# Altium PCB CHAHARDOLI-7 ADAD METAL.PcbDoc (part 4 of 11)
Units mm, origin at the board's own origin, x right, y up, seen from the top; angles counter-clockwise.
Board outline 151 x 86.38 mm, 2 copper layers (Top Layer, Bottom Layer); 1496 components, 81 nets, 3725 pads, 848 vias.
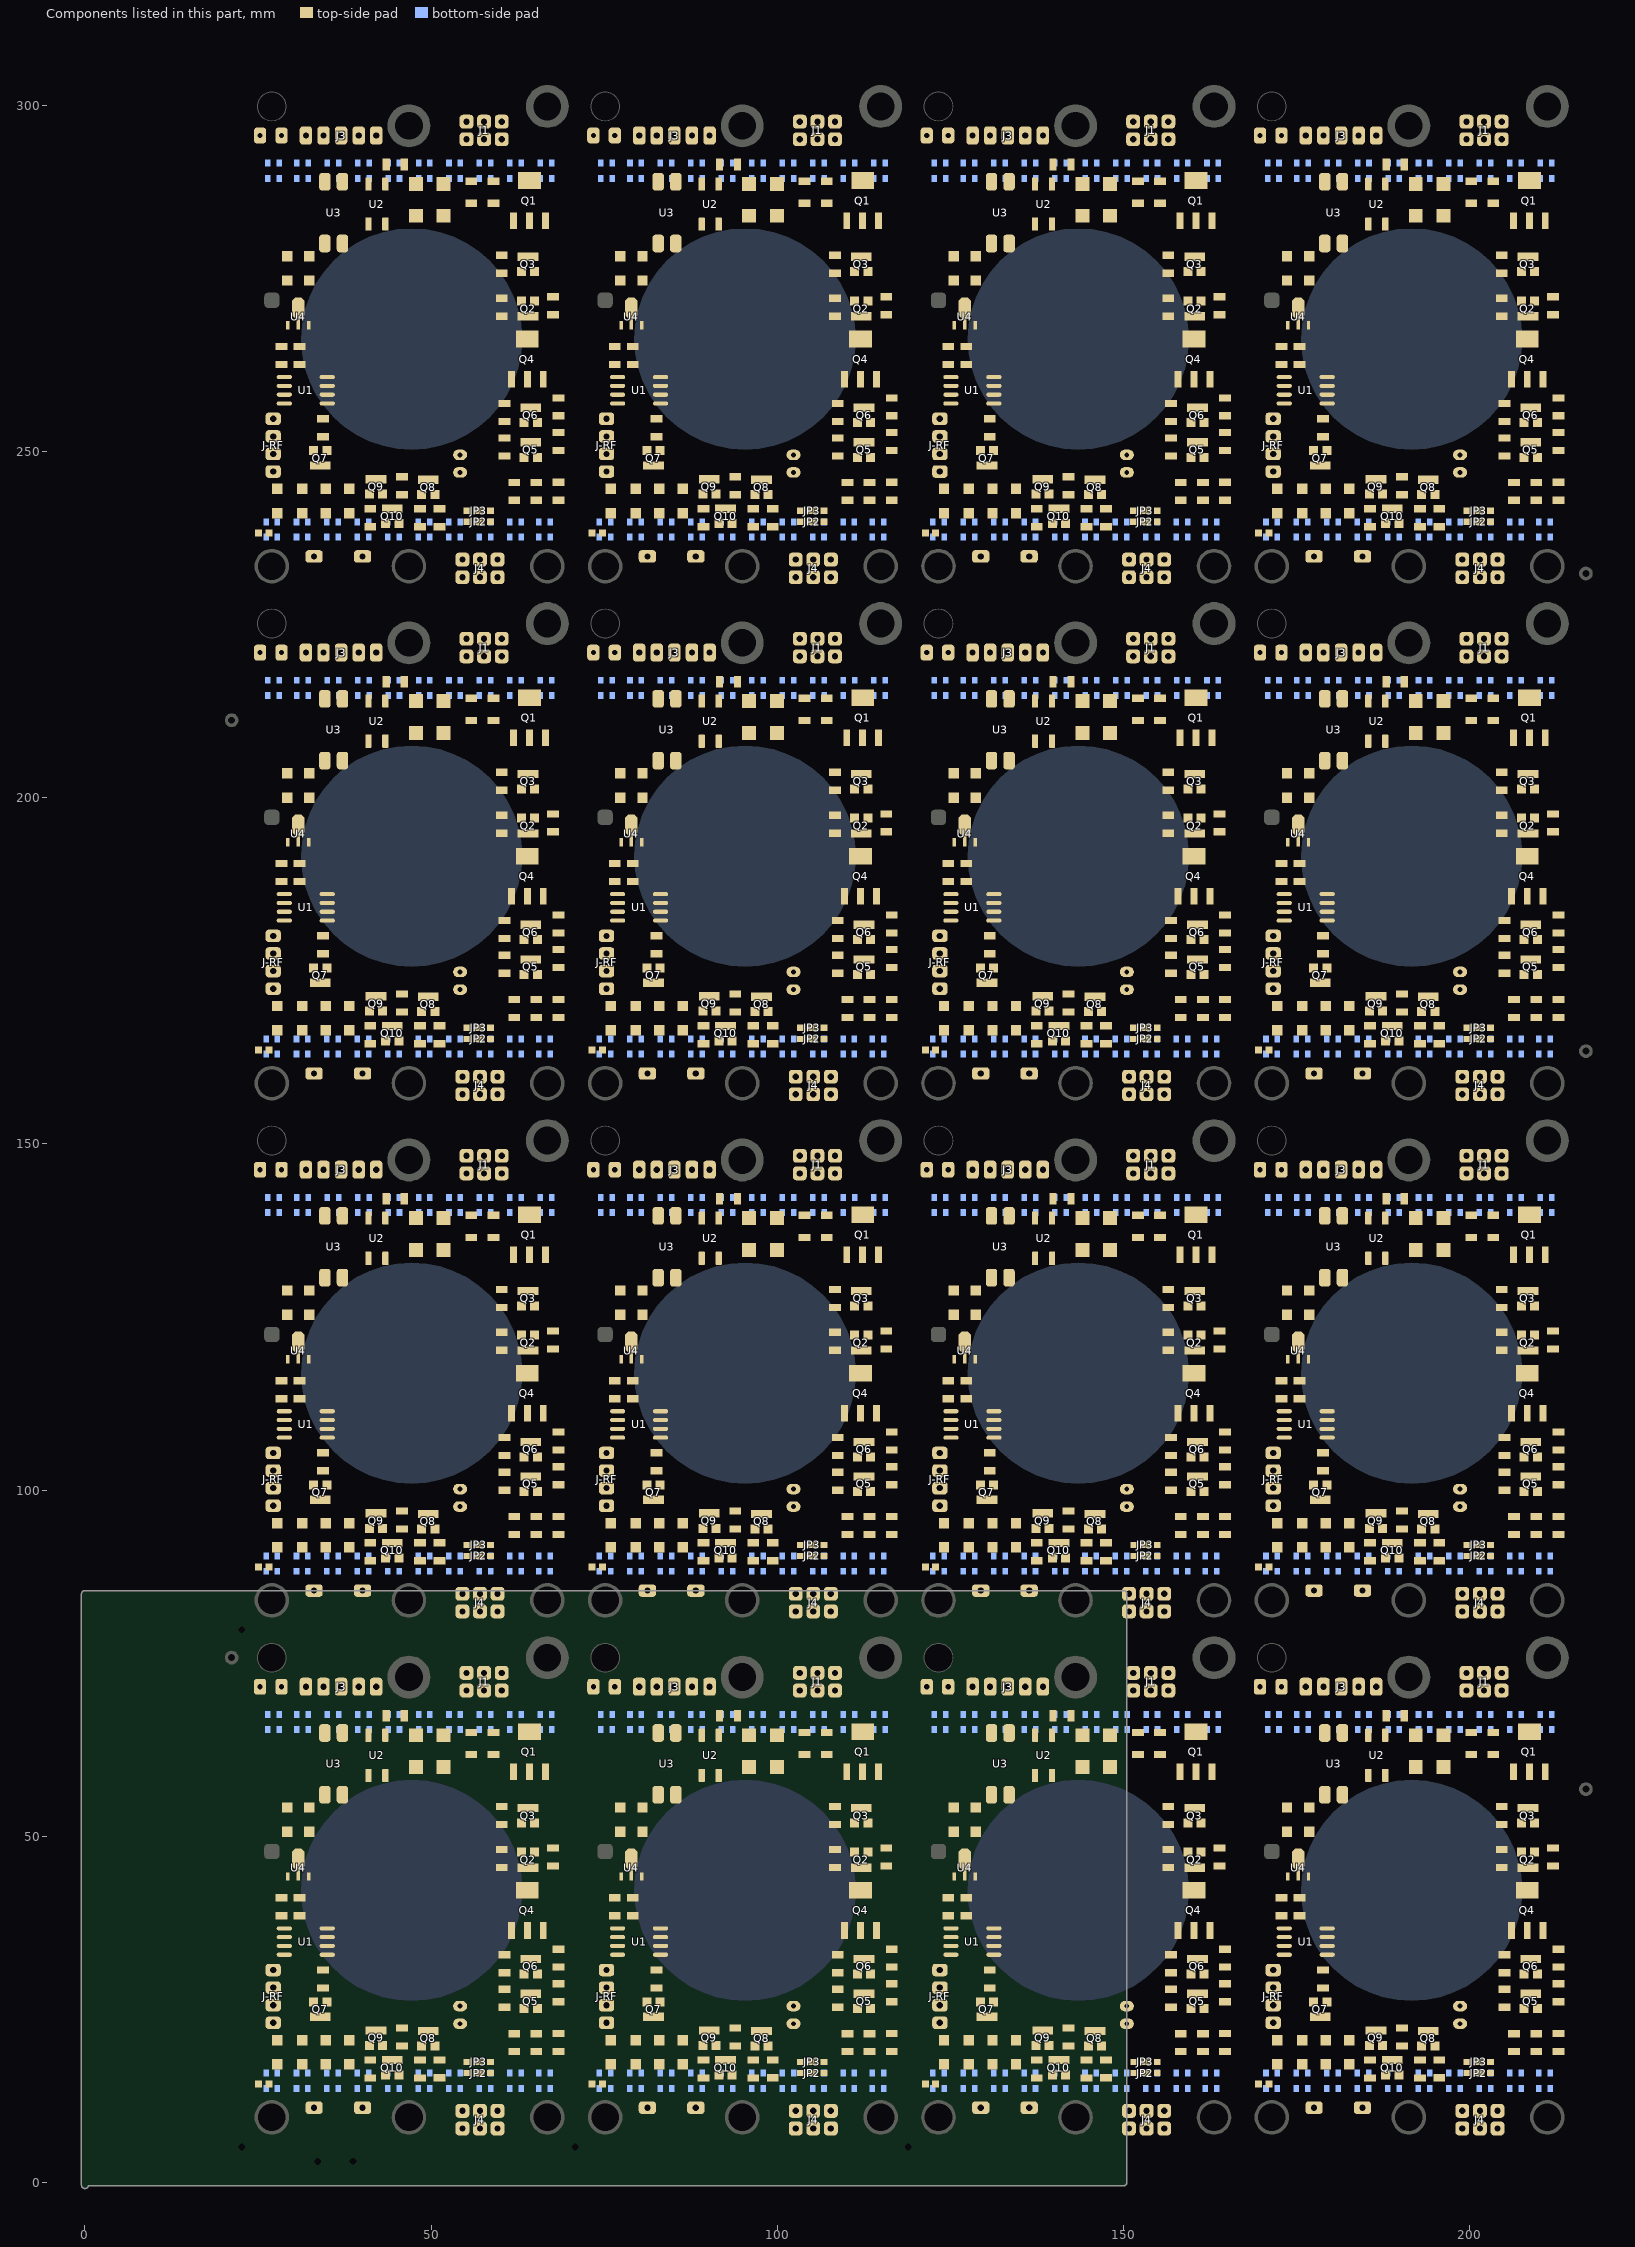
[diagram p4: the components of this part, seen from the top]

## Via types
v1: diameter 1.2, hole 0.6, Top Layer to Bottom Layer, tented both sides, 464 vias
v2: diameter 0.9, hole 0.6, Top Layer to Bottom Layer, tented both sides, 128 vias
v3: diameter 1, hole 0.6, Top Layer to Bottom Layer, tented both sides, 128 vias
v4: diameter 1.27, hole 0.6, Top Layer to Bottom Layer, tented both sides, 112 vias
v5: diameter 1.27, hole 0.711, Top Layer to Bottom Layer, tented both sides, 16 vias

## Nets (pads, with @x,y where several pads share a name; then routed paths per layer and width w, separated by ;. In a path a pad name is that pad's centre, name@x,y a point inside that pad or via, vN(x,y) a via of type N, cw(c..) or ccw(c..) an arc to the next point about the centre after c; other vN are vias at no path point) (continued)
pads on no net: B.1@30.562,88.288 B.1@30.562,162.976 B.1@30.562,237.664 B.1@32.238,142.288 B.1@32.238,216.976 B.1@32.238,291.664 B.1@39.362,88.288 B.1@39.362,162.976 B.1@39.362,237.664 B.1@41.038,142.288 B.1@41.038,216.976 B.1@41.038,291.664 B.1@48.162,88.288 B.1@48.162,162.976 B.1@48.162,237.664 B.1@49.838,142.288 B.1@49.838,216.976 B.1@49.838,291.664 B.1@56.962,88.288 B.1@56.962,162.976 B.1@56.962,237.664 B.1@58.638,142.288 B.1@58.638,216.976 B.1@58.638,291.664 B.1@65.562,88.288 B.1@65.562,162.976 B.1@65.562,237.664 B.1@67.438,142.288 B.1@67.438,216.976 B.1@67.438,291.664 B.1@78.707,13.6 B.1@78.707,88.288 B.1@78.707,162.976 B.1@78.707,237.664 B.1@80.383,67.6 B.1@80.383,142.288 B.1@80.383,216.976 B.1@80.383,291.664 B.1@87.507,13.6 B.1@87.507,88.288 B.1@87.507,162.976 B.1@87.507,237.664 B.1@89.183,67.6 B.1@89.183,142.288 B.1@89.183,216.976 B.1@89.183,291.664 B.1@96.307,13.6 B.1@96.307,88.288 B.1@96.307,162.976 B.1@96.307,237.664 B.1@97.983,67.6 B.1@97.983,142.288 B.1@97.983,216.976 B.1@97.983,291.664 B.1@105.107,13.6 B.1@105.107,88.288 B.1@105.107,162.976 B.1@105.107,237.664 B.1@106.783,67.6 B.1@106.783,142.288 B.1@106.783,216.976 B.1@106.783,291.664 B.1@113.707,13.6 B.1@113.707,88.288 B.1@113.707,162.976 B.1@113.707,237.664 B.1@115.583,67.6 B.1@115.583,142.288 B.1@115.583,216.976 B.1@115.583,291.664 B.1@126.852,13.6 B.1@126.852,88.288 B.1@126.852,162.976 B.1@126.852,237.664 B.1@128.528,67.6 B.1@128.528,142.288 B.1@128.528,216.976 B.1@128.528,291.664 B.1@135.652,13.6 B.1@135.652,88.288 B.1@135.652,162.976 B.1@135.652,237.664 B.1@137.328,67.6 B.1@137.328,142.288 B.1@137.328,216.976 B.1@137.328,291.664 B.1@144.452,13.6 B.1@144.452,88.288 B.1@144.452,162.976 B.1@144.452,237.664 B.1@146.128,67.6 B.1@146.128,142.288 B.1@146.128,216.976 B.1@146.128,291.664 B.1@153.252,13.6 B.1@153.252,88.288 B.1@153.252,162.976 B.1@153.252,237.664 B.1@154.928,67.6 B.1@154.928,142.288 B.1@154.928,216.976 B.1@154.928,291.664 B.1@161.852,13.6 B.1@161.852,88.288 B.1@161.852,162.976 B.1@161.852,237.664 B.1@163.728,67.6 B.1@163.728,142.288 B.1@163.728,216.976 B.1@163.728,291.664 B.1@174.997,13.6 B.1@174.997,88.288 B.1@174.997,162.976 B.1@174.997,237.664 B.1@176.674,67.6 B.1@176.674,142.288 B.1@176.674,216.976 B.1@176.674,291.664 B.1@183.797,13.6 B.1@183.797,88.288 B.1@183.797,162.976 B.1@183.797,237.664 B.1@185.474,67.6 B.1@185.474,142.288 B.1@185.474,216.976 B.1@185.474,291.664 B.1@192.597,13.6 B.1@192.597,88.288 B.1@192.597,162.976 B.1@192.597,237.664 B.1@194.274,67.6 B.1@194.274,142.288 B.1@194.274,216.976 B.1@194.274,291.664 B.1@201.397,13.6 B.1@201.397,88.288 B.1@201.397,162.976 B.1@201.397,237.664 B.1@203.074,67.6 B.1@203.074,142.288 B.1@203.074,216.976 B.1@203.074,291.664 B.1@209.997,13.6 B.1@209.997,88.288 B.1@209.997,162.976 B.1@209.997,237.664 B.1@211.874,67.6 B.1@211.874,142.288 B.1@211.874,216.976 B.1@211.874,291.664 B.2@30.588,142.288 B.2@30.588,216.976 B.2@30.588,291.664 B.2@32.212,88.288 B.2@32.212,162.976 B.2@32.212,237.664 B.2@39.388,142.288 B.2@39.388,216.976 B.2@39.388,291.664 B.2@41.012,88.288 B.2@41.012,162.976 B.2@41.012,237.664 B.2@48.188,142.288 B.2@48.188,216.976 B.2@48.188,291.664 B.2@49.812,88.288 B.2@49.812,162.976 B.2@49.812,237.664 B.2@56.988,142.288 B.2@56.988,216.976 B.2@56.988,291.664 B.2@58.612,88.288 B.2@58.612,162.976 B.2@58.612,237.664 B.2@65.788,142.288 B.2@65.788,216.976 B.2@65.788,291.664 B.2@67.212,88.288 B.2@67.212,162.976 B.2@67.212,237.664 B.2@78.733,67.6 B.2@78.733,142.288 B.2@78.733,216.976 B.2@78.733,291.664 B.2@80.357,13.6 B.2@80.357,88.288 B.2@80.357,162.976 B.2@80.357,237.664 B.2@87.533,67.6 B.2@87.533,142.288 B.2@87.533,216.976 B.2@87.533,291.664 B.2@89.157,13.6 B.2@89.157,88.288 B.2@89.157,162.976 B.2@89.157,237.664 B.2@96.333,67.6 B.2@96.333,142.288 B.2@96.333,216.976 B.2@96.333,291.664 B.2@97.957,13.6 B.2@97.957,88.288 B.2@97.957,162.976 B.2@97.957,237.664 B.2@105.133,67.6 B.2@105.133,142.288 B.2@105.133,216.976 B.2@105.133,291.664 B.2@106.757,13.6 B.2@106.757,88.288 B.2@106.757,162.976 B.2@106.757,237.664 B.2@113.933,67.6 B.2@113.933,142.288 B.2@113.933,216.976 B.2@113.933,291.664 B.2@115.357,13.6 B.2@115.357,88.288 B.2@115.357,162.976 B.2@115.357,237.664 B.2@126.878,67.6 B.2@126.878,142.288 B.2@126.878,216.976 B.2@126.878,291.664 B.2@128.502,13.6 B.2@128.502,88.288 B.2@128.502,162.976 B.2@128.502,237.664 B.2@135.678,67.6 B.2@135.678,142.288 B.2@135.678,216.976 B.2@135.678,291.664 B.2@137.302,13.6 B.2@137.302,88.288 B.2@137.302,162.976 B.2@137.302,237.664 B.2@144.478,67.6 B.2@144.478,142.288 B.2@144.478,216.976 B.2@144.478,291.664 B.2@146.102,13.6 B.2@146.102,88.288 B.2@146.102,162.976 B.2@146.102,237.664 B.2@153.278,67.6 B.2@153.278,142.288 B.2@153.278,216.976 B.2@153.278,291.664 B.2@154.902,13.6 B.2@154.902,88.288 B.2@154.902,162.976 B.2@154.902,237.664 B.2@162.078,67.6 B.2@162.078,142.288 B.2@162.078,216.976 B.2@162.078,291.664 B.2@163.502,13.6 B.2@163.502,88.288 B.2@163.502,162.976 B.2@163.502,237.664 B.2@175.024,67.6 B.2@175.024,142.288 B.2@175.024,216.976 B.2@175.024,291.664 B.2@176.647,13.6 B.2@176.647,88.288 B.2@176.647,162.976 B.2@176.647,237.664 B.2@183.824,67.6 B.2@183.824,142.288 B.2@183.824,216.976 B.2@183.824,291.664 B.2@185.447,13.6 B.2@185.447,88.288 B.2@185.447,162.976 B.2@185.447,237.664 B.2@192.624,67.6 B.2@192.624,142.288 B.2@192.624,216.976 B.2@192.624,291.664 B.2@194.247,13.6 B.2@194.247,88.288 B.2@194.247,162.976 B.2@194.247,237.664 B.2@201.424,67.6 B.2@201.424,142.288 B.2@201.424,216.976 B.2@201.424,291.664 B.2@203.047,13.6 B.2@203.047,88.288 B.2@203.047,162.976 B.2@203.047,237.664 B.2@210.224,67.6 B.2@210.224,142.288 B.2@210.224,216.976 B.2@210.224,291.664 B.2@211.647,13.6 B.2@211.647,88.288 B.2@211.647,162.976 B.2@211.647,237.664 Buzzer1.1@33.1,85.488 Buzzer1.1@33.1,160.176 Buzzer1.1@33.1,234.864 Buzzer1.1@81.245,10.8 Buzzer1.1@81.245,85.488 Buzzer1.1@81.245,160.176 Buzzer1.1@81.245,234.864 Buzzer1.1@129.39,10.8 Buzzer1.1@129.39,85.488 Buzzer1.1@129.39,160.176 Buzzer1.1@129.39,234.864 Buzzer1.1@177.535,10.8 Buzzer1.1@177.535,85.488 Buzzer1.1@177.535,160.176 Buzzer1.1@177.535,234.864 Buzzer1.2@40.1,85.488 Buzzer1.2@40.1,160.176 Buzzer1.2@40.1,234.864 Buzzer1.2@88.245,10.8 Buzzer1.2@88.245,85.488 Buzzer1.2@88.245,160.176 Buzzer1.2@88.245,234.864 Buzzer1.2@136.39,10.8 Buzzer1.2@136.39,85.488 Buzzer1.2@136.39,160.176 Buzzer1.2@136.39,234.864 Buzzer1.2@184.535,10.8 Buzzer1.2@184.535,85.488 Buzzer1.2@184.535,160.176 Buzzer1.2@184.535,234.864 C1.1@28.4,113.218 C1.1@28.4,187.906 C1.1@28.4,262.594 C1.1@76.545,38.53 C1.1@76.545,113.218 C1.1@76.545,187.906 C1.1@76.545,262.594 C1.1@124.69,38.53 C1.1@124.69,113.218 C1.1@124.69,187.906 C1.1@124.69,262.594 C1.1@172.835,38.53 C1.1@172.835,113.218 C1.1@172.835,187.906 C1.1@172.835,262.594 C1.2@28.4,115.814 C1.2@28.4,190.502 C1.2@28.4,265.19 C1.2@76.545,41.126 C1.2@76.545,115.814 C1.2@76.545,190.502 C1.2@76.545,265.19 C1.2@124.69,41.126 C1.2@124.69,115.814 C1.2@124.69,190.502 C1.2@124.69,265.19 C1.2@172.835,41.126 C1.2@172.835,115.814 C1.2@172.835,190.502 C1.2@172.835,265.19 C2.1@31,113.218 C2.1@31,187.906 C2.1@31,262.594 C2.1@79.145,38.53 C2.1@79.145,113.218 C2.1@79.145,187.906 C2.1@79.145,262.594 C2.1@127.29,38.53 C2.1@127.29,113.218 C2.1@127.29,187.906 C2.1@127.29,262.594 C2.1@175.435,38.53 C2.1@175.435,113.218 C2.1@175.435,187.906 C2.1@175.435,262.594 C2.2@31,115.814 C2.2@31,190.502 C2.2@31,265.19 C2.2@79.145,41.126 C2.2@79.145,115.814 C2.2@79.145,190.502 C2.2@79.145,265.19 C2.2@127.29,41.126 C2.2@127.29,115.814 C2.2@127.29,190.502 C2.2@127.29,265.19 C2.2@175.435,41.126 C2.2@175.435,115.814 C2.2@175.435,190.502 C2.2@175.435,265.19 C3.1@43.53,142.088 C3.1@43.53,216.776 C3.1@43.53,291.464 C3.1@91.675,67.4 C3.1@91.675,142.088 C3.1@91.675,216.776 C3.1@91.675,291.464 C3.1@139.82,67.4 C3.1@139.82,142.088 C3.1@139.82,216.776 C3.1@139.82,291.464 C3.1@187.965,67.4 C3.1@187.965,142.088 C3.1@187.965,216.776 C3.1@187.965,291.464 C3.2 C5.1@54.2,100.158 C5.1@54.2,174.846 C5.1@54.2,249.534 C5.1@102.345,25.47 C5.1@102.345,100.158 C5.1@102.345,174.846 C5.1@102.345,249.534 C5.1@150.49,25.47 C5.1@150.49,100.158 C5.1@150.49,174.846 C5.1@150.49,249.534 C5.1@198.635,25.47 C5.1@198.635,100.158 C5.1@198.635,174.846 C5.1@198.635,249.534 C5.2@54.2,97.618 C5.2@54.2,172.306 C5.2@54.2,246.994 C5.2@102.345,22.93 C5.2@102.345,97.618 C5.2@102.345,172.306 C5.2@102.345,246.994 C5.2@150.49,22.93 C5.2@150.49,97.618 C5.2@150.49,172.306 C5.2@150.49,246.994 C5.2@198.635,22.93 C5.2@198.635,97.618 C5.2@198.635,172.306 C5.2@198.635,246.994 C6.1@28.4,146.288 C6.1@28.4,220.976 C6.1@28.4,295.664 C6.1@76.545,71.6 C6.1@76.545,146.288 C6.1@76.545,220.976 C6.1@76.545,295.664 C6.1@124.69,71.6 C6.1@124.69,146.288 C6.1@124.69,220.976 C6.1@124.69,295.664 C6.1@172.835,71.6 C6.1@172.835,146.288 C6.1@172.835,220.976 C6.1@172.835,295.664 C6.2@25.3,146.288 C6.2@25.3,220.976 C6.2@25.3,295.664 C6.2@73.445,71.6 C6.2@73.445,146.288 C6.2@73.445,220.976 C6.2@73.445,295.664 C6.2@121.59,71.6 C6.2@121.59,146.288 C6.2@121.59,220.976 C6.2@121.59,295.664 C6.2@169.735,71.6 C6.2@169.735,146.288 C6.2@169.735,220.976 C6.2@169.735,295.664 D1.1@51.8,134.688 D1.1@51.8,209.376 D1.1@51.8,284.064 D1.1@99.945,60 D1.1@99.945,134.688 D1.1@99.945,209.376 D1.1@99.945,284.064 D1.1@148.09,60 D1.1@148.09,134.688 D1.1@148.09,209.376 D1.1@148.09,284.064 D1.1@196.235,60 D1.1@196.235,134.688 D1.1@196.235,209.376 D1.1@196.235,284.064 D1.2@51.8,139.288 D1.2@51.8,213.976 D1.2@51.8,288.664 D1.2@99.945,64.6 D1.2@99.945,139.288 D1.2@99.945,213.976 D1.2@99.945,288.664 D1.2@148.09,64.6 D1.2@148.09,139.288 D1.2@148.09,213.976 D1.2@148.09,288.664 D1.2@196.235,64.6 D1.2@196.235,139.288 D1.2@196.235,213.976 D1.2@196.235,288.664 D2.1@29.2,125.338 D2.1@29.2,200.026 D2.1@29.2,274.714 D2.1@77.345,50.65 D2.1@77.345,125.338 D2.1@77.345,200.026 D2.1@77.345,274.714 D2.1@125.49,50.65 D2.1@125.49,125.338 D2.1@125.49,200.026 D2.1@125.49,274.714 D2.1@173.635,50.65 D2.1@173.635,125.338 D2.1@173.635,200.026 D2.1@173.635,274.714 D2.2@29.2,128.838 D2.2@29.2,203.526 D2.2@29.2,278.214 D2.2@77.345,54.15 D2.2@77.345,128.838 D2.2@77.345,203.526 D2.2@77.345,278.214 D2.2@125.49,54.15 D2.2@125.49,128.838 D2.2@125.49,203.526 D2.2@125.49,278.214 D2.2@173.635,54.15 D2.2@173.635,128.838 D2.2@173.635,203.526 D2.2@173.635,278.214 D3.1@47.8,134.688 D3.1@47.8,209.376 D3.1@47.8,284.064 D3.1@95.945,60 D3.1@95.945,134.688 D3.1@95.945,209.376 D3.1@95.945,284.064 D3.1@144.09,60 D3.1@144.09,134.688 D3.1@144.09,209.376 D3.1@144.09,284.064 D3.1@192.235,60 D3.1@192.235,134.688 D3.1@192.235,209.376 D3.1@192.235,284.064 D3.2@47.8,139.288 D3.2@47.8,213.976 D3.2@47.8,288.664 D3.2@95.945,64.6 D3.2@95.945,139.288 D3.2@95.945,213.976 D3.2@95.945,288.664 D3.2@144.09,64.6 D3.2@144.09,139.288 D3.2@144.09,213.976 D3.2@144.09,288.664 D3.2@192.235,64.6 D3.2@192.235,139.288 D3.2@192.235,213.976 D3.2@192.235,288.664 D4.1@32.4,125.338 D4.1@32.4,200.026 D4.1@32.4,274.714 D4.1@80.545,50.65 D4.1@80.545,125.338 D4.1@80.545,200.026 D4.1@80.545,274.714 D4.1@128.69,50.65 D4.1@128.69,125.338 D4.1@128.69,200.026 D4.1@128.69,274.714 D4.1@176.835,50.65 D4.1@176.835,125.338 D4.1@176.835,200.026 D4.1@176.835,274.714 D4.2@32.4,128.838 D4.2@32.4,203.526 D4.2@32.4,278.214 D4.2@80.545,54.15 D4.2@80.545,128.838 D4.2@80.545,203.526 D4.2@80.545,278.214 D4.2@128.69,54.15 D4.2@128.69,128.838 D4.2@128.69,203.526 D4.2@128.69,278.214 D4.2@176.835,54.15 D4.2@176.835,128.838 D4.2@176.835,203.526 D4.2@176.835,278.214 D40.1@31.4,95.238 D40.1@31.4,169.926 D40.1@31.4,244.614 D40.1@79.545,20.55 D40.1@79.545,95.238 D40.1@79.545,169.926 D40.1@79.545,244.614 D40.1@127.69,20.55 D40.1@127.69,95.238 D40.1@127.69,169.926 D40.1@127.69,244.614 D40.1@175.835,20.55 D40.1@175.835,95.238 D40.1@175.835,169.926 D40.1@175.835,244.614 D40.2@31.4,91.738 D40.2@31.4,166.426 D40.2@31.4,241.114 D40.2@79.545,17.05 D40.2@79.545,91.738 D40.2@79.545,166.426 D40.2@79.545,241.114 D40.2@127.69,17.05 D40.2@127.69,91.738 D40.2@127.69,166.426 D40.2@127.69,241.114 D40.2@175.835,17.05 D40.2@175.835,91.738 D40.2@175.835,166.426 D40.2@175.835,241.114 D41.1@38.2,95.238 D41.1@38.2,169.926 D41.1@38.2,244.614 D41.1@86.345,20.55 D41.1@86.345,95.238 D41.1@86.345,169.926 D41.1@86.345,244.614 D41.1@134.49,20.55 D41.1@134.49,95.238 D41.1@134.49,169.926 D41.1@134.49,244.614 D41.1@182.635,20.55 D41.1@182.635,95.238 D41.1@182.635,169.926 D41.1@182.635,244.614 D41.2@38.2,91.738 D41.2@38.2,166.426 D41.2@38.2,241.114 D41.2@86.345,17.05 D41.2@86.345,91.738 D41.2@86.345,166.426 D41.2@86.345,241.114 D41.2@134.49,17.05 D41.2@134.49,91.738 D41.2@134.49,166.426 D41.2@134.49,241.114 D41.2@182.635,17.05 D41.2@182.635,91.738 D41.2@182.635,166.426 D41.2@182.635,241.114 D47.1@27.8,95.238 D47.1@27.8,169.926 D47.1@27.8,244.614 D47.1@75.945,20.55 D47.1@75.945,95.238 D47.1@75.945,169.926 D47.1@75.945,244.614 D47.1@124.09,20.55 D47.1@124.09,95.238 D47.1@124.09,169.926 D47.1@124.09,244.614 D47.1@172.235,20.55 D47.1@172.235,95.238 D47.1@172.235,169.926 D47.1@172.235,244.614 D47.2@27.8,91.738 D47.2@27.8,166.426 D47.2@27.8,241.114 D47.2@75.945,17.05 D47.2@75.945,91.738 D47.2@75.945,166.426 D47.2@75.945,241.114 D47.2@124.09,17.05 D47.2@124.09,91.738 D47.2@124.09,166.426 D47.2@124.09,241.114 D47.2@172.235,17.05 D47.2@172.235,91.738 D47.2@172.235,166.426 D47.2@172.235,241.114 D48.1@34.8,95.238 D48.1@34.8,169.926 D48.1@34.8,244.614 D48.1@82.945,20.55 D48.1@82.945,95.238 D48.1@82.945,169.926 D48.1@82.945,244.614 D48.1@131.09,20.55 D48.1@131.09,95.238 D48.1@131.09,169.926 D48.1@131.09,244.614 D48.1@179.235,20.55 D48.1@179.235,95.238 D48.1@179.235,169.926 D48.1@179.235,244.614 D48.2@34.8,91.738 D48.2@34.8,166.426 D48.2@34.8,241.114 D48.2@82.945,17.05 D48.2@82.945,91.738 D48.2@82.945,166.426 D48.2@82.945,241.114 D48.2@131.09,17.05 D48.2@131.09,91.738 D48.2@131.09,166.426 D48.2@131.09,241.114 D48.2@179.235,17.05 D48.2@179.235,91.738 D48.2@179.235,166.426 D48.2@179.235,241.114 G.1@26.162,90.488 G.1@26.162,165.176 G.1@26.162,239.864 G.1@28.038,140.088 G.1@28.038,214.776 G.1@28.038,289.464 G.1@34.962,90.488 G.1@34.962,165.176 G.1@34.962,239.864 G.1@36.638,140.088 G.1@36.638,214.776 G.1@36.638,289.464 G.1@43.762,90.488 G.1@43.762,165.176 G.1@43.762,239.864 G.1@45.438,140.088 G.1@45.438,214.776 G.1@45.438,289.464 G.1@52.562,90.488 G.1@52.562,165.176 G.1@52.562,239.864 G.1@54.238,140.088 G.1@54.238,214.776 G.1@54.238,289.464 G.1@61.362,90.488 G.1@61.362,165.176 G.1@61.362,239.864 G.1@63.038,140.088 G.1@63.038,214.776 G.1@63.038,289.464 G.1@74.307,15.8 G.1@74.307,90.488 G.1@74.307,165.176 G.1@74.307,239.864 G.1@76.183,65.4 G.1@76.183,140.088 G.1@76.183,214.776 G.1@76.183,289.464 G.1@83.107,15.8 G.1@83.107,90.488 G.1@83.107,165.176 G.1@83.107,239.864 G.1@84.783,65.4 G.1@84.783,140.088 G.1@84.783,214.776 G.1@84.783,289.464 G.1@91.907,15.8 G.1@91.907,90.488 G.1@91.907,165.176 G.1@91.907,239.864 G.1@93.583,65.4 G.1@93.583,140.088 G.1@93.583,214.776 G.1@93.583,289.464 G.1@100.707,15.8 G.1@100.707,90.488 G.1@100.707,165.176 G.1@100.707,239.864 G.1@102.383,65.4 G.1@102.383,140.088 G.1@102.383,214.776 G.1@102.383,289.464 G.1@109.507,15.8 G.1@109.507,90.488 G.1@109.507,165.176 G.1@109.507,239.864 G.1@111.183,65.4 G.1@111.183,140.088 G.1@111.183,214.776 G.1@111.183,289.464 G.1@122.452,15.8 G.1@122.452,90.488 G.1@122.452,165.176 G.1@122.452,239.864 G.1@124.328,65.4 G.1@124.328,140.088 G.1@124.328,214.776 G.1@124.328,289.464 G.1@131.252,15.8 G.1@131.252,90.488 G.1@131.252,165.176 G.1@131.252,239.864 G.1@132.928,65.4 G.1@132.928,140.088 G.1@132.928,214.776 G.1@132.928,289.464 G.1@140.052,15.8 G.1@140.052,90.488 G.1@140.052,165.176 G.1@140.052,239.864 G.1@141.728,65.4 G.1@141.728,140.088 G.1@141.728,214.776 G.1@141.728,289.464 G.1@148.852,15.8 G.1@148.852,90.488 G.1@148.852,165.176 G.1@148.852,239.864 G.1@150.528,65.4 G.1@150.528,140.088 G.1@150.528,214.776 G.1@150.528,289.464 G.1@157.652,15.8 G.1@157.652,90.488 G.1@157.652,165.176 G.1@157.652,239.864 G.1@159.328,65.4 G.1@159.328,140.088 G.1@159.328,214.776 G.1@159.328,289.464 G.1@170.597,15.8 G.1@170.597,90.488 G.1@170.597,165.176 G.1@170.597,239.864 G.1@172.474,65.4 G.1@172.474,140.088 G.1@172.474,214.776 G.1@172.474,289.464 G.1@179.397,15.8 G.1@179.397,90.488 G.1@179.397,165.176 G.1@179.397,239.864 G.1@181.074,65.4 G.1@181.074,140.088 G.1@181.074,214.776 G.1@181.074,289.464 G.1@188.197,15.8 G.1@188.197,90.488 G.1@188.197,165.176 G.1@188.197,239.864 G.1@189.874,65.4 G.1@189.874,140.088 G.1@189.874,214.776 G.1@189.874,289.464 G.1@196.997,15.8 G.1@196.997,90.488 G.1@196.997,165.176 G.1@196.997,239.864 G.1@198.674,65.4 G.1@198.674,140.088 G.1@198.674,214.776 G.1@198.674,289.464 G.1@205.797,15.8 G.1@205.797,90.488 G.1@205.797,165.176 G.1@205.797,239.864 G.1@207.474,65.4 G.1@207.474,140.088 G.1@207.474,214.776 G.1@207.474,289.464 G.2@26.388,140.088 G.2@26.388,214.776 G.2@26.388,289.464 G.2@27.812,90.488 G.2@27.812,165.176 G.2@27.812,239.864 G.2@34.988,140.088 G.2@34.988,214.776 G.2@34.988,289.464 G.2@36.612,90.488 G.2@36.612,165.176 G.2@36.612,239.864 G.2@43.788,140.088 G.2@43.788,214.776 G.2@43.788,289.464 G.2@45.412,90.488 G.2@45.412,165.176 G.2@45.412,239.864 G.2@52.588,140.088 G.2@52.588,214.776 G.2@52.588,289.464 G.2@54.212,90.488 G.2@54.212,165.176 G.2@54.212,239.864 G.2@61.388,140.088 G.2@61.388,214.776 G.2@61.388,289.464 G.2@63.012,90.488 G.2@63.012,165.176 G.2@63.012,239.864 G.2@74.533,65.4 G.2@74.533,140.088 G.2@74.533,214.776 G.2@74.533,289.464 G.2@75.957,15.8 G.2@75.957,90.488 G.2@75.957,165.176 G.2@75.957,239.864 G.2@83.133,65.4 G.2@83.133,140.088 G.2@83.133,214.776 G.2@83.133,289.464 G.2@84.757,15.8 G.2@84.757,90.488 G.2@84.757,165.176 G.2@84.757,239.864 G.2@91.933,65.4 G.2@91.933,140.088 G.2@91.933,214.776 G.2@91.933,289.464 G.2@93.557,15.8 G.2@93.557,90.488 G.2@93.557,165.176 G.2@93.557,239.864 G.2@100.733,65.4 G.2@100.733,140.088 G.2@100.733,214.776 G.2@100.733,289.464 G.2@102.357,15.8 G.2@102.357,90.488 G.2@102.357,165.176 G.2@102.357,239.864 G.2@109.533,65.4 G.2@109.533,140.088 G.2@109.533,214.776 G.2@109.533,289.464 G.2@111.157,15.8 G.2@111.157,90.488 G.2@111.157,165.176 G.2@111.157,239.864 G.2@122.678,65.4 G.2@122.678,140.088 G.2@122.678,214.776 G.2@122.678,289.464 G.2@124.102,15.8 G.2@124.102,90.488 G.2@124.102,165.176 G.2@124.102,239.864 G.2@131.278,65.4 G.2@131.278,140.088 G.2@131.278,214.776 G.2@131.278,289.464 G.2@132.902,15.8 G.2@132.902,90.488 G.2@132.902,165.176 G.2@132.902,239.864 G.2@140.078,65.4 G.2@140.078,140.088 G.2@140.078,214.776 G.2@140.078,289.464 G.2@141.702,15.8 G.2@141.702,90.488 G.2@141.702,165.176 G.2@141.702,239.864 G.2@148.878,65.4 G.2@148.878,140.088 G.2@148.878,214.776 G.2@148.878,289.464 G.2@150.502,15.8 G.2@150.502,90.488 G.2@150.502,165.176 G.2@150.502,239.864 G.2@157.678,65.4 G.2@157.678,140.088 G.2@157.678,214.776 G.2@157.678,289.464 G.2@159.302,15.8 G.2@159.302,90.488 G.2@159.302,165.176 G.2@159.302,239.864 G.2@170.824,65.4 G.2@170.824,140.088 G.2@170.824,214.776 G.2@170.824,289.464 G.2@172.247,15.8 G.2@172.247,90.488 G.2@172.247,165.176 G.2@172.247,239.864 G.2@179.424,65.4 G.2@179.424,140.088 G.2@179.424,214.776 G.2@179.424,289.464 G.2@181.047,15.8 G.2@181.047,90.488 G.2@181.047,165.176 G.2@181.047,239.864 G.2@188.224,65.4 G.2@188.224,140.088 G.2@188.224,214.776 G.2@188.224,289.464 G.2@189.847,15.8 G.2@189.847,90.488 G.2@189.847,165.176 G.2@189.847,239.864 G.2@197.024,65.4 G.2@197.024,140.088 G.2@197.024,214.776 G.2@197.024,289.464 G.2@198.647,15.8 G.2@198.647,90.488 G.2@198.647,165.176 G.2@198.647,239.864 G.2@205.824,65.4 G.2@205.824,140.088 G.2@205.824,214.776 G.2@205.824,289.464 G.2@207.447,15.8 G.2@207.447,90.488 G.2@207.447,165.176 G.2@207.447,239.864 J1.1@55.12,148.288 J1.1@55.12,222.976 J1.1@55.12,297.664 J1.1@103.265,73.6 J1.1@103.265,148.288 J1.1@103.265,222.976 J1.1@103.265,297.664 J1.1@151.41,73.6 J1.1@151.41,148.288 J1.1@151.41,222.976 J1.1@151.41,297.664 J1.1@199.555,73.6 J1.1@199.555,148.288 J1.1@199.555,222.976 J1.1@199.555,297.664 J1.2@55.12,145.748 J1.2@55.12,220.436 J1.2@55.12,295.124 J1.2@103.265,71.06 J1.2@103.265,145.748 J1.2@103.265,220.436 J1.2@103.265,295.124 J1.2@151.41,71.06 J1.2@151.41,145.748 J1.2@151.41,220.436 J1.2@151.41,295.124 J1.2@199.555,71.06 J1.2@199.555,145.748 J1.2@199.555,220.436 